# Allegro board 6089-119-RevA_41.brd (continued)
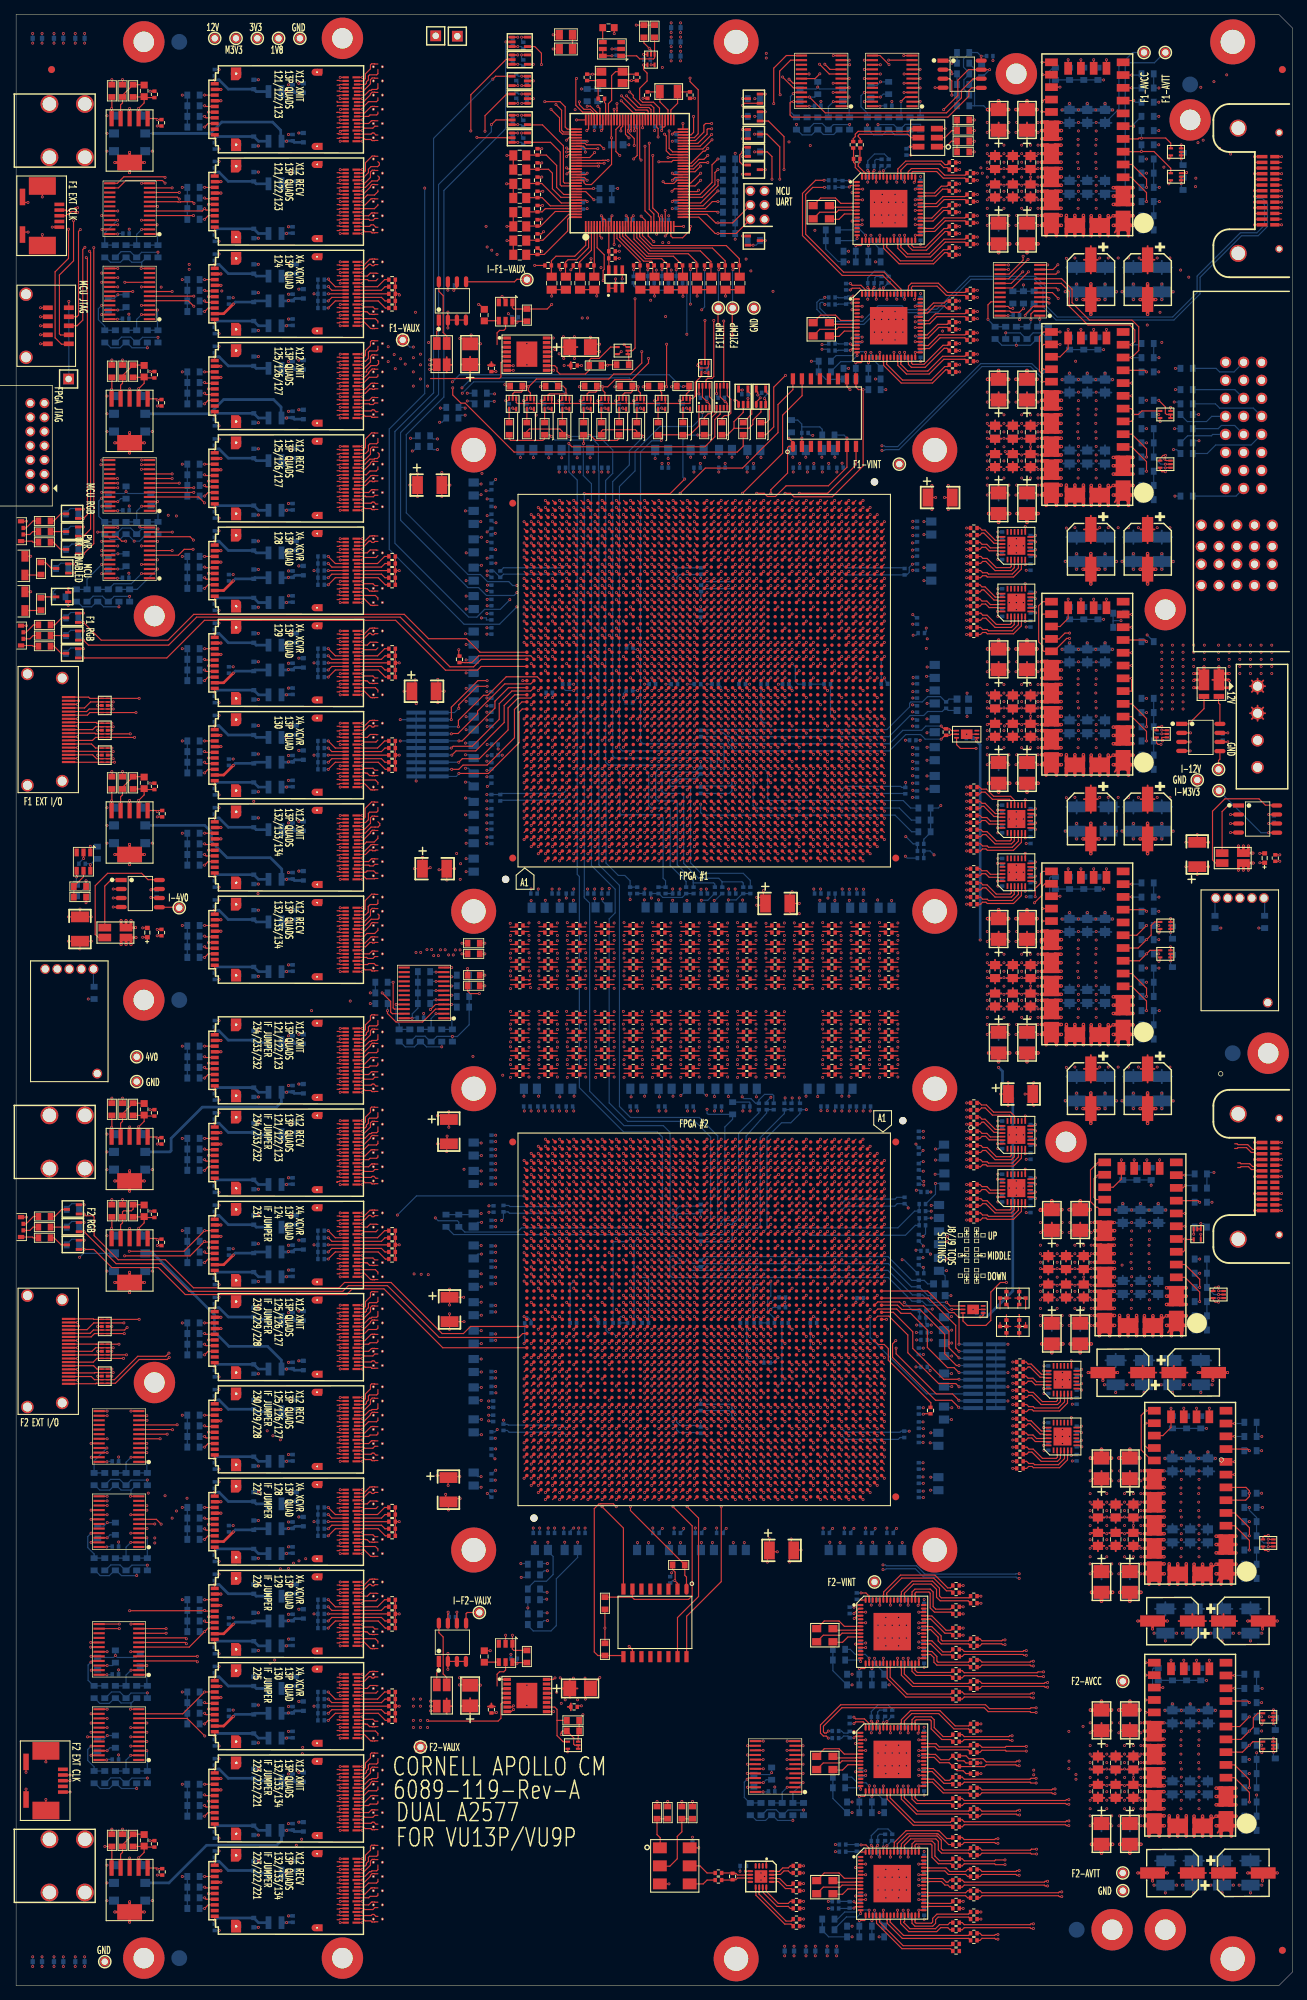
[diagram p0: board, top side]
## Routing (per net, layer and track width the routed paths; a pad name or vN(x,y) marks a point on that pad's centre or on a via; arc(x,y) is an arc through that point) (continued)
  TOP w0.38: 175.7,51.4 v1(173.62,51.4) ; 175.7,51.4 v1(175.7,50.27) ; 175.7,51.4 C541.2 v1(177.78,51.4) ; U39A.2 v1(28.87,68.2) ; U42A.2 v1(28.87,29.2) ; 175.7,15.9 v1(173.62,15.9) ; 175.7,15.9 C542.2 v1(177.78,15.9) ; 175.7,15.9 v1(175.7,14.77) ; U32A.2 v1(28.87,163.2) ; U38A.4 v1(28.87,79.6) ; U21.6 v1(18.08,99.1) ; U21.6 v1(16,97.67) ; U21.6 v1(13.92,99.1) ; U21.6 v1(16,100.54) ; U40A.4 v1(28.87,53.6) ; U34A.2 v1(28.87,133.2) ; U19.6 v1(18.08,159.4) ; U19.6 v1(13.92,159.4) ; U19.6 v1(16,157.97) ; U19.6 v1(16,160.84) ; C538.2 v1(158.12,51.4) ; C538.2 v1(160.2,50.27) ; C538.2 v1(162.28,51.4) ; U33A.4 v1(28.87,148.6) ; U42A.4 v1(28.87,27.6) ; C537.2 v1(158.12,15.9) ; C537.2 v1(160.2,14.77) ; C537.2 v1(162.28,15.9) ; U30A.4 v1(28.87,187.6) ; U16.6 v1(18.08,217.4) ; U16.6 v1(13.92,217.4) ; U16.6 v1(16,215.97) ; U16.6 v1(16,218.84) ; U27A.2 v1(28.87,228.2) ; U26A.2 v1(28.87,241.2) ; U13.6 v1(16,258.34) ; U13.6 v1(18.08,256.9) ; U13.6 v1(13.92,256.9) ; U13.6 v1(16,255.47) ; U22.6 v1(16,8.97) ; U22.6 v1(18.08,10.4) ; U22.6 v1(16,11.84) ; U22.6 v1(13.92,10.4) ; U20.6 v1(13.92,113.4) ; U20.6 v1(16,114.84) ; U20.6 v1(18.08,113.4) ; U20.6 v1(16,111.97) ; U36A.2 v1(28.87,107.2) ; U43A.2 v1(28.87,16.2) ; U24A.2 v1(28.87,267.2) ; v1(168.7,85.27) 168.7,86.4 ; 168.7,86.4 v1(166.62,86.4) ; 168.7,86.4 C539.2 v1(170.78,86.4) ; U37A.2 v1(28.87,94.2) ; U34A.4 v1(28.87,131.6) ; U43A.4 v1(28.87,14.6) ; U37A.4 v1(28.87,92.6) ; C524.2 v1(155.28,86.4) ; C524.2 v1(151.12,86.4) ; C524.2 v1(153.2,85.27) ; U39A.4 v1(28.87,66.6) ; U28A.2 v1(28.87,215.2) ; U33A.2 v1(28.87,150.2) ; U41A.4 v1(28.87,40.6) ; U40A.2 v1(28.87,55.2) ; U27A.4 v1(28.87,226.6) ; U36A.4 v1(28.87,105.6) ; U31A.4 v1(28.87,174.6) ; U41A.2 v1(28.87,42.2) ; U32A.4 v1(28.87,161.6) ; U29A.2 v1(28.87,202.2) ; U28A.4 v1(28.87,213.6) ; U25A.2 v1(28.87,254.2) ; U31A.2 v1(28.87,176.2) ; U29A.4 v1(28.87,200.6) ; U35A.2 v1(28.87,120.2) ; U38A.2 v1(28.87,81.2) ; U26A.4 v1(28.87,239.6) ; U24A.4 v1(28.87,265.6) ; U35A.4 v1(28.87,118.6) ; U30A.2 v1(28.87,189.2) ; U25A.4 v1(28.87,252.6)
  TOP w0.5: v1(137.09,207.44) C452.2 ; C452.2 v1(138.5,206.2) ; C452.2 v1(140.06,207.44) ; 145.95,179.5 145.95,179.55 146.45,180.05 v1(147.33,180.05) ; 145.95,179.5 145.4,180.05 v1(144.57,180.05) ; 145.95,179.5 U107.24 ; v1(150.45,135.45) 150.45,134.57 149.95,134.07 149.93,134.07 ; v1(154.83,98.7) 153.9,98.7 153.45,99.15 ; U106.2 v1(157.43,214.18) ; U106.2 156.05,213.45 ; U106.2 v1(154.67,214.18) ; U106.2 156.05,214.8 ; U106.24 v1(144.57,216.88) ; U106.24 145.95,217.5 ; U106.24 145.95,216.15 ; U106.24 v1(147.33,216.88) ; C455.2 v1(138.5,151.6) ; C455.2 v1(139.91,150.36) ; C455.2 v1(136.94,150.36) ; 149.93,172.07 150.45,171.55 v1(150.45,170.6) ; 149.93,172.07 149.25,172.07 ; 149.93,172.07 149.95,172.07 150.45,172.57 v1(150.45,173.45) ; 145.95,141.5 145.95,141.55 146.45,142.05 v1(147.33,142.05) ; 145.95,141.5 145.4,142.05 v1(144.57,142.05) ; 145.95,141.5 U108.24 ; 148.53,210.07 148.05,209.6 v1(148.05,208.6) ; 148.53,210.07 148.05,210.55 v1(148.05,211.45) ; 148.53,210.07 149.25,210.07 ; C508.2 152.65,237.6 ; C508.2 v1(151.5,235.52) ; C508.2 v1(151.5,239.8) ; C508.2 150.45,237.6 ; v1(161.83,28.2) 160.9,28.2 160.45,28.65 ; v1(152.07,98.7) 153,98.7 153.45,99.15 ; C535.2 v1(159.5,159.52) ; C535.2 v1(158.45,161.6) ; C535.2 v1(159.5,163.8) ; C535.2 v1(160.65,161.6) ; v1(154.67,213) 155.6,213 156.05,213.45 ; v1(143.91,150.36) C488.2 ; C488.2 v1(142.5,151.6) ; C488.2 v1(140.94,150.36) ; 149.93,134.07 150.45,133.55 v1(150.45,132.6) ; 149.93,134.07 149.25,134.07 ; 156.05,213.45 156.5,213 v1(157.43,213) ; 148.53,172.07 148.05,172.55 v1(148.05,173.45) ; 148.53,172.07 148.05,171.6 v1(148.05,170.6) ; 148.53,172.07 149.25,172.07 ; v1(140.94,188.36) C486.2 ; C486.2 v1(143.91,188.36) ; C486.2 v1(142.5,189.6) ; v1(171.93,27.85) 171.05,27.85 170.55,27.35 170.55,27.3 ; 149.93,248.07 149.95,248.07 150.45,248.57 v1(150.45,249.45) ; 149.93,248.07 150.45,247.55 v1(150.45,246.6) ; 149.93,248.07 149.25,248.07 ; C509.2 v1(151.5,197.52) ; C509.2 v1(151.5,201.8) ; C509.2 152.65,199.6 ; C509.2 150.45,199.6 ; v1(151.59,55.44) C517.2 ; C517.2 v1(154.56,55.44) ; C517.2 v1(153,54.2) ; 145.95,255.5 145.95,255.55 146.45,256.05 v1(147.33,256.05) ; 145.95,255.5 145.95,254.88 ; 145.95,255.5 145.4,256.05 v1(144.57,256.05) ; v1(158.56,55.44) C526.2 ; C526.2 v1(157,54.2) ; C526.2 v1(155.59,55.44) ; v1(149.25,170.6) U107.27 149.25,172.07 ; 149.25,172.07 v1(149.25,173.45) ; v1(140.06,169.44) C454.2 ; C454.2 v1(137.09,169.44) ; C454.2 v1(138.5,168.2) ; v1(157.43,251) 156.5,251 156.05,251.45 ; v1(140.94,264.36) C482.2 ; C482.2 v1(143.91,264.36) ; C482.2 v1(142.5,265.6) ; 149.93,210.07 150.45,209.55 v1(150.45,208.6) ; 149.93,210.07 149.25,210.07 ; 149.93,210.07 149.95,210.07 150.45,210.57 v1(150.45,211.45) ; v1(157.95,91.6) 157.95,92.55 157.43,93.08 ; 145.95,140.15 145.5,139.7 v1(144.57,139.7) ; 145.95,140.15 U108.24 ; 145.95,140.15 146.4,139.7 v1(147.33,139.7) ; 145.95,216.15 146.4,215.7 v1(147.33,215.7) ; 145.95,216.15 145.5,215.7 v1(144.57,215.7) ; v1(148.05,135.45) 148.05,134.55 148.53,134.07 ; 156.05,251.45 156.05,252.18 ; 156.05,251.45 155.6,251 v1(154.67,251) ; 153.45,99.15 U109.24 ; C536.2 v1(159.5,125.8) ; C536.2 v1(159.5,121.52) ; C536.2 v1(160.65,123.6) ; C536.2 v1(158.45,123.6) ; C534.2 v1(159.5,197.52) ; C534.2 v1(159.5,201.8) ; C534.2 v1(158.45,199.6) ; C534.2 v1(160.65,199.6) ; U109.24 153.45,100.5 ; U109.24 v1(154.83,99.88) ; U109.24 v1(152.07,99.88) ; 153.45,100.5 152.9,101.05 v1(152.07,101.05) ; 153.45,100.5 153.45,100.55 153.95,101.05 v1(154.83,101.05) ; v1(155.59,19.94) C528.2 ; C528.2 v1(158.56,19.94) ; C528.2 v1(157,18.7) ; 170.55,27.3 170,27.85 v1(169.17,27.85) ; 170.55,27.3 170.55,26.68 ; U108.2 v1(157.43,138.18) ; U108.2 156.05,137.45 ; U108.2 156.05,138.8 ; U108.2 v1(154.67,138.18) ; 160.45,30 160.45,30.05 160.95,30.55 v1(161.83,30.55) ; 160.45,30 U118.24 ; 160.45,30 159.9,30.55 v1(159.07,30.55) ; 164.43,22.57 163.75,22.57 ; 164.43,22.57 164.95,22.05 v1(164.95,21.1) ; 164.43,22.57 164.45,22.57 164.95,23.07 v1(164.95,23.95) ; 163.75,22.57 v1(163.75,23.95) ; 163.75,22.57 163.03,22.57 ; 163.75,22.57 U118.27 v1(163.75,21.1) ; U118.24 v1(161.83,29.38) ; U118.24 160.45,28.65 ; U118.24 v1(159.07,29.38) ; v1(164.95,59.45) 164.95,58.58 164.45,58.08 164.43,58.08 ; v1(148.05,249.45) 148.05,248.55 148.53,248.07 ; v1(154.41,38.86) C518.2 ; C518.2 v1(153,40.1) ; C518.2 v1(151.44,38.86) ; v1(143.91,226.36) C484.2 ; C484.2 v1(142.5,227.6) ; C484.2 v1(140.94,226.36) ; 145.95,254.88 v1(144.57,254.88) ; 145.95,254.88 145.95,254.15 ; 145.95,254.88 v1(147.33,254.88) ; C525.2 v1(157,75.6) ; C525.2 v1(155.44,74.36) ; C525.2 v1(158.41,74.36) ; v1(147.56,90.44) C501.2 ; C501.2 v1(146,89.2) ; C501.2 v1(144.59,90.44) ; v1(154.67,175) 155.6,175 156.05,175.45 ; v1(141.09,207.44) C485.2 ; C485.2 v1(144.06,207.44) ; C485.2 v1(142.5,206.2) ; v1(139.91,188.36) C453.2 ; C453.2 v1(136.94,188.36) ; C453.2 v1(138.5,189.6) ; 160.45,28.65 160,28.2 v1(159.07,28.2) ; v1(162.55,21.1) 162.55,22.1 163.03,22.57 ; 170.55,61.45 170.1,61 v1(169.17,61) ; 170.55,61.45 U117.2 ; 170.55,61.45 171,61 v1(171.93,61) ; U107.24 v1(147.33,178.88) ; U107.24 145.95,178.15 ; U107.24 v1(144.57,178.88) ; 145.95,217.5 145.4,218.05 v1(144.57,218.05) ; 145.95,217.5 145.95,217.55 146.45,218.05 v1(147.33,218.05) ; v1(161.83,66.05) 160.95,66.05 160.45,65.55 160.45,65.5 ; v1(147.41,109.36) C500.2 ; C500.2 144.44,109.36 144.44,109.29 v1(144.37,109.29) ; C500.2 v1(146,110.6) ; 157.43,93.08 156.75,93.08 ; 157.43,93.08 157.45,93.08 157.95,93.58 v1(157.95,94.45) ; 156.05,175.45 156.5,175 v1(157.43,175) ; 156.05,175.45 U107.2 ; 156.05,137.45 156.5,137 v1(157.43,137) ; 156.05,137.45 155.6,137 v1(154.67,137) ; v1(162.17,96) 163.1,96 163.55,96.45 ; C510.2 150.45,161.6 ; C510.2 v1(151.5,159.52) ; C510.2 152.65,161.6 ; C510.2 v1(151.5,163.8) ; 149.25,134.07 U108.27 v1(149.25,132.6) ; 149.25,134.07 v1(149.25,135.45) ; 149.25,134.07 148.53,134.07 ; v1(154.67,139.35) 155.5,139.35 156.05,138.8 ; C450.2 v1(138.5,244.2) ; C450.2 v1(137.09,245.44) ; C450.2 v1(140.06,245.44) ; U117.2 170.55,62.8 ; U117.2 v1(171.93,62.17) ; U117.2 v1(169.17,62.17) ; 156.75,93.08 v1(156.75,94.45) ; 156.75,93.08 U109.27 v1(156.75,91.6) ; 156.75,93.08 156.03,93.08 ; U108.24 v1(144.57,140.88) ; U108.24 v1(147.33,140.88) ; U117.24 v1(159.07,64.88) ; U117.24 160.45,65.5 ; U117.24 160.45,64.15 ; U117.24 v1(161.83,64.88) ; U107.2 v1(157.43,176.18) ; U107.2 v1(154.67,176.18) ; U107.2 156.05,176.8 ; v1(151.56,90.44) C505.2 ; C505.2 v1(148.59,90.44) ; C505.2 v1(150,89.2) ; v1(164.93,98.35) 164.05,98.35 163.55,97.85 163.55,97.8 ; C511.2 152.65,123.6 ; C511.2 v1(151.5,125.8) ; C511.2 v1(151.5,121.52) ; C511.2 150.45,123.6 ; C451.2 v1(138.5,227.6) ; C451.2 v1(136.94,226.36) ; C451.2 v1(139.91,226.36) ; 156.05,252.18 v1(157.43,252.18) ; 156.05,252.18 v1(154.67,252.18) ; 156.05,252.18 156.05,252.8 ; C516.2 v1(153,75.6) ; C516.2 v1(154.41,74.36) ; C516.2 v1(151.44,74.36) ; v1(161.83,63.7) 160.9,63.7 160.45,64.15 ; v1(162.55,59.45) 162.55,58.55 163.03,58.08 ; v1(151.59,19.94) C519.2 ; C519.2 v1(153,18.7) ; C519.2 v1(154.56,19.94) ; 163.03,22.57 162.55,23.05 v1(162.55,23.95) ; 156.03,93.08 155.55,93.55 v1(155.55,94.45) ; 156.03,93.08 155.55,92.6 v1(155.55,91.6) ; 149.25,210.07 U106.27 v1(149.25,208.6) ; 149.25,210.07 v1(149.25,211.45) ; v1(144.57,253.7) 145.5,253.7 145.95,254.15 ; v1(163.75,56.6) 163.75,58.08 ; v1(144.06,131.44) C489.2 ; C489.2 v1(142.5,130.2) ; C489.2 v1(141.09,131.44) ; 160.45,65.5 159.9,66.05 v1(159.07,66.05) ; 156.05,252.8 155.5,253.35 v1(154.67,253.35) ; 156.05,252.8 156.05,252.85 156.55,253.35 v1(157.43,253.35) ; 163.55,97.8 163,98.35 v1(162.17,98.35) ; 163.55,97.8 U109.2 ; v1(158.45,237.6) C533.2 ; C533.2 v1(159.5,235.52) ; C533.2 v1(159.5,239.8) ; C533.2 v1(160.65,237.6) ; v1(148.05,246.6) 148.05,247.6 148.53,248.07 ; U109.2 v1(164.93,97.17) ; U109.2 v1(162.17,97.17) ; U109.2 163.55,96.45 ; 156.05,214.8 156.05,214.85 156.55,215.35 v1(157.43,215.35) ; 156.05,214.8 155.5,215.35 v1(154.67,215.35) ; 148.53,134.07 148.05,133.6 v1(148.05,132.6) ; 149.25,248.07 U105.27 v1(149.25,246.6) ; 149.25,248.07 148.53,248.07 ; 149.25,248.07 v1(149.25,249.45) ; v1(157.43,139.35) 156.55,139.35 156.05,138.85 156.05,138.8 ; v1(137.09,131.44) C456.2 ; C456.2 v1(140.06,131.44) ; C456.2 v1(138.5,130.2) ; 164.43,58.08 163.75,58.08 ; 164.43,58.08 164.95,57.55 v1(164.95,56.6) ; 163.75,58.08 v1(163.75,59.45) ; 163.75,58.08 163.03,58.08 ; v1(162.55,56.6) 162.55,57.6 163.03,58.08 ; v1(139.91,264.36) C449.2 ; C449.2 v1(138.5,265.6) ; C449.2 v1(136.94,264.36) ; 170.55,26.68 v1(169.17,26.68) ; 170.55,26.68 170.55,25.95 ; 170.55,26.68 v1(171.93,26.68) ; 156.05,176.8 155.5,177.35 v1(154.67,177.35) ; 156.05,176.8 156.05,176.85 156.55,177.35 v1(157.43,177.35) ; C527.2 v1(157,40.1) ; C527.2 v1(158.41,38.86) ; C527.2 v1(155.44,38.86) ; v1(144.06,169.44) C487.2 ; C487.2 v1(141.09,169.44) ; C487.2 v1(142.5,168.2) ; C483.2 v1(142.5,244.2) ; C483.2 v1(144.06,245.44) ; C483.2 v1(141.09,245.44) ; 145.95,254.15 146.4,253.7 v1(147.33,253.7) ; 170.55,62.8 170.55,62.85 171.05,63.35 v1(171.93,63.35) ; 170.55,62.8 170,63.35 v1(169.17,63.35) ; v1(148.44,109.36) C504.2 ; C504.2 v1(151.41,109.36) ; C504.2 v1(150,110.6) ; 163.55,96.45 164,96 v1(164.93,96) ; 145.95,178.15 145.5,177.7 v1(144.57,177.7) ; 145.95,178.15 146.4,177.7 v1(147.33,177.7) ; v1(169.17,25.5) 170.1,25.5 170.55,25.95 ; 160.45,64.15 160,63.7 v1(159.07,63.7) ; 170.55,25.95 171,25.5 v1(171.93,25.5)
  GND1 w0.254: VA79.4 51.82,76.81 ; VA79.4 51.63,76.02 ; VA79.4 52.05,76.59 ; VA79.4 51.96,76.72 ; VA79.4 52.05,76.21 ; VA79.4 52.02,76.4 ; VA79.4 51.63,76.78 ; VA79.4 51.96,76.08 ; VA101.3 50.37,15.78 ; VA101.3 50.04,15.08 ; VA101.3 50.37,15.02 ; VA101.3 49.95,15.21 ; VA101.3 50.04,15.72 ; VA101.3 49.98,15.4 ; VA101.3 49.95,15.59 ; VA101.3 50.18,14.99 ; VA97.4 52.05,24.21 ; VA97.4 51.63,24.78 ; VA97.4 51.82,24.81 ; VA97.4 51.63,24.02 ; VA97.4 51.96,24.08 ; VA97.4 52.05,24.59 ; VA97.4 51.96,24.72 ; VA97.4 52.02,24.4 ; VA69.4 52.02,97.4 ; VA69.4 52.05,97.21 ; VA69.4 51.63,97.02 ; VA69.4 51.96,97.08 ; VA69.4 52.05,97.59 ; VA69.4 51.82,97.81 ; VA69.4 51.96,97.72 ; VA69.4 51.63,97.78 ; VA91.3 51.63,37.28 ; VA91.3 51.82,37.31 ; VA91.3 51.96,37.22 ; VA91.3 52.05,36.71 ; VA91.3 52.05,37.09 ; VA91.3 51.96,36.58 ; VA91.3 52.02,36.9 ; VA91.3 51.63,36.52 ; 50.37,95.02 VA70.3 ; VA70.3 49.95,95.59 ; VA70.3 50.37,95.78 ; VA70.3 49.98,95.4 ; VA70.3 50.18,94.99 ; VA70.3 49.95,95.21 ; VA70.3 50.04,95.72 ; VA70.3 50.04,95.08 ; VA3.4 51.96,266.08 ; VA3.4 51.82,266.81 ; VA3.4 51.63,266.02 ; VA3.4 51.96,266.72 ; VA3.4 52.05,266.21 ; VA3.4 51.63,266.78 ; VA3.4 52.02,266.4 ; VA3.4 52.05,266.59 ; VA70.4 51.63,95.78 ; VA70.4 52.05,95.59 ; VA70.4 51.63,95.02 ; VA70.4 51.82,95.81 ; VA70.4 51.96,95.08 ; VA70.4 52.02,95.4 ; VA70.4 52.05,95.21 ; VA70.4 51.96,95.72 ; 156,12.52 PM21.1 ; PM21.1 155.33,14.07 ; PM21.1 156.67,12.73 ; PM21.1 155.33,12.73 ; PM21.1 156.67,14.07 ; PM21.1 156,14.28 ; PM21.1 155.12,13.4 ; PM21.1 156.88,13.4 ; 49.95,107.09 VA66.3 ; VA66.3 50.18,106.49 ; VA66.3 50.37,106.52 ; VA66.3 49.95,106.71 ; VA66.3 49.98,106.9 ; VA66.3 50.04,107.22 ; VA66.3 50.37,107.28 ; VA66.3 50.04,106.58 ; VA39.3 51.63,171.28 ; VA39.3 52.05,171.09 ; VA39.3 51.63,170.52 ; VA39.3 52.05,170.71 ; VA39.3 52.02,170.9 ; VA39.3 51.96,171.22 ; VA39.3 51.82,171.31 ; VA39.3 51.96,170.58 ; VA28.4 51.96,208.72 ; VA28.4 52.05,208.21 ; VA28.4 51.82,208.81 ; VA28.4 51.96,208.08 ; VA28.4 51.63,208.78 ; VA28.4 51.63,208.02 ; VA28.4 52.05,208.59 ; VA28.4 52.02,208.4 ; 50.18,43.49 VA89.3 ; VA89.3 50.04,43.58 ; VA89.3 50.04,44.22 ; VA89.3 50.37,44.28 ; VA89.3 50.37,43.52 ; VA89.3 49.95,43.71 ; VA89.3 49.98,43.9 ; VA89.3 49.95,44.09 ; 49.95,194.71 VA32.4 ; VA32.4 50.04,195.22 ; VA32.4 49.95,195.09 ; VA32.4 49.98,194.9 ; VA32.4 50.04,194.58 ; VA32.4 50.37,194.52 ; VA32.4 50.18,194.49 ; VA32.4 50.37,195.28 ; 50.04,128.72 VA57.3 ; VA57.3 50.18,127.99 ; VA57.3 50.37,128.78 ; VA57.3 50.04,128.08 ; VA57.3 49.98,128.4 ; VA57.3 49.95,128.59 ; VA57.3 50.37,128.02 ; VA57.3 49.95,128.21 ; VA24.4 52.05,216.21 ; VA24.4 51.63,216.78 ; VA24.4 52.05,216.59 ; VA24.4 51.96,216.72 ; VA24.4 51.63,216.02 ; VA24.4 51.82,216.81 ; VA24.4 52.02,216.4 ; VA24.4 51.96,216.08 ; VA68.3 51.96,99.58 ; VA68.3 52.02,99.9 ; VA68.3 51.96,100.22 ; VA68.3 52.05,100.09 ; VA68.3 51.63,99.52 ; VA68.3 51.63,100.28 ; VA68.3 51.82,100.31 ; VA68.3 52.05,99.71 ; J5.20 2.4,169.96 ; J5.20 2.66,169.15 ; J5.20 1.15,168.11 ; J5.20 2.4,168.35 ; J5.20 2.05,170.2 ; J5.20 1.6,168.08 ; J5.20 1.6,170.22 ; J5.20 2.64,169.6 ; VA16.4 50.37,234.28 ; VA16.4 50.18,233.49 ; VA16.4 49.95,234.09 ; VA16.4 49.98,233.9 ; VA16.4 50.37,233.52 ; VA16.4 50.04,233.58 ; VA16.4 49.95,233.71 ; VA16.4 50.04,234.22 ; 49.98,153.4 VA47.3 ; VA47.3 49.95,153.59 ; VA47.3 50.04,153.08 ; VA47.3 49.95,153.21 ; VA47.3 50.37,153.02 ; VA47.3 50.04,153.72 ; VA47.3 50.37,153.78 ; VA47.3 50.18,152.99 ; J5.21 6.5,170.8 ; J5.21 7.57,169.74 ; J5.21 5.69,168.93 ; J5.21 5.69,170.54 ; J5.21 5.43,169.74 ; J5.21 7.31,168.93 ; J5.21 7.31,170.54 ; J5.21 6.5,168.67 ; 50.04,22.08 VA98.3 ; VA98.3 50.37,22.78 ; VA98.3 50.37,22.02 ; VA98.3 49.95,22.21 ; VA98.3 49.98,22.4 ; VA98.3 49.95,22.59 ; VA98.3 50.18,21.99 ; VA98.3 50.04,22.72 ; VA94.4 52.02,30.4 ; VA94.4 51.63,30.78 ; VA94.4 51.96,30.08 ; VA94.4 51.82,30.81 ; VA94.4 52.05,30.59 ; VA94.4 51.96,30.72 ; VA94.4 52.05,30.21 ; VA94.4 51.63,30.02 ; VA23.4 51.96,218.72 ; VA23.4 52.05,218.21 ; VA23.4 51.82,218.81 ; VA23.4 51.63,218.02 ; VA23.4 51.96,218.08 ; VA23.4 51.63,218.78 ; VA23.4 52.02,218.4 ; VA23.4 52.05,218.59 ; 49.95,169.09 VA40.4 ; VA40.4 49.95,168.71 ; VA40.4 50.18,168.49 ; VA40.4 50.04,169.22 ; VA40.4 50.04,168.58 ; VA40.4 49.98,168.9 ; VA40.4 50.37,169.28 ; VA40.4 50.37,168.52 ; VA67.3 52.05,101.71 ; VA67.3 51.82,102.31 ; VA67.3 51.96,101.58 ; VA67.3 52.02,101.9 ; VA67.3 51.63,101.52 ; VA67.3 52.05,102.09 ; VA67.3 51.63,102.28 ; VA67.3 51.96,102.22 ; VA75.4 52.05,84.21 ; VA75.4 51.96,84.72 ; VA75.4 51.63,84.02 ; VA75.4 51.63,84.78 ; VA75.4 51.82,84.81 ; VA75.4 52.02,84.4 ; VA75.4 52.05,84.59 ; VA75.4 51.96,84.08 ; 51.63,54.52 VA86.4 ; VA86.4 52.02,54.9 ; VA86.4 52.05,55.09 ; VA86.4 51.96,55.22 ; VA86.4 51.96,54.58 ; VA86.4 51.82,55.31 ; VA86.4 51.63,55.28 ; VA86.4 52.05,54.71 ; 50.04,34.58 VA92.4 ; VA92.4 50.04,35.22 ; VA92.4 49.95,34.71 ; VA92.4 50.37,34.52 ; VA92.4 50.37,35.28 ; VA92.4 49.95,35.09 ; VA92.4 50.18,34.49 ; VA92.4 49.98,34.9 ; 51.63,69.52 VA81.4 ; VA81.4 51.96,69.58 ; VA81.4 51.96,70.22 ; VA81.4 52.02,69.9 ; VA81.4 52.05,69.71 ; VA81.4 51.82,70.31 ; VA81.4 52.05,70.09 ; VA81.4 51.63,70.28 ; 50.04,147.72 VA50.3 ; VA50.3 49.95,147.21 ; VA50.3 50.04,147.08 ; VA50.3 50.37,147.78 ; VA50.3 49.95,147.59 ; VA50.3 50.37,147.02 ; VA50.3 49.98,147.4 ; VA50.3 50.18,146.99 ; PM24.1 167.38,169.9 ; PM24.1 165.83,169.23 ; PM24.1 166.5,170.78 ; PM24.1 167.17,170.57 ; PM24.1 166.5,169.02 ; PM24.1 167.17,169.23 ; PM24.1 165.83,170.57 ; PM24.1 165.62,169.9 ; VA1.4 51.96,270.08 ; VA1.4 52.05,270.21 ; VA1.4 51.82,270.81 ; VA1.4 52.05,270.59 ; VA1.4 51.63,270.78 ; VA1.4 51.63,270.02 ; VA1.4 52.02,270.4 ; VA1.4 51.96,270.72 ; VA56.4 51.96,130.08 ; VA56.4 51.96,130.72 ; VA56.4 52.02,130.4 ; VA56.4 51.63,130.02 ; VA56.4 51.63,130.78 ; VA56.4 52.05,130.21 ; VA56.4 52.05,130.59 ; VA56.4 51.82,130.81 ; 50.37,235.52 VA15.4 ; VA15.4 49.95,236.09 ; VA15.4 49.98,235.9 ; VA15.4 50.37,236.28 ; VA15.4 50.18,235.49 ; VA15.4 49.95,235.71 ; VA15.4 50.04,235.58 ; VA15.4 50.04,236.22 ; 50.04,212.72 VA26.3 ; VA26.3 49.95,212.59 ; VA26.3 50.37,212.78 ; VA26.3 49.98,212.4 ; VA26.3 49.95,212.21 ; VA26.3 50.37,212.02 ; VA26.3 50.04,212.08 ; VA26.3 50.18,211.99 ; 50.37,113.02 VA64.3 ; VA64.3 49.95,113.59 ; VA64.3 50.04,113.72 ; VA64.3 50.18,112.99 ; VA64.3 49.95,113.21 ; VA64.3 50.37,113.78 ; VA64.3 50.04,113.08 ; VA64.3 49.98,113.4 ; 50.04,30.08 VA94.3 ; VA94.3 49.95,30.21 ; VA94.3 49.98,30.4 ; VA94.3 50.18,29.99 ; VA94.3 50.37,30.02 ; VA94.3 50.37,30.78 ; VA94.3 49.95,30.59 ; VA94.3 50.04,30.72 ; 50.18,240.49 VA14.3 ; VA14.3 50.37,241.28 ; VA14.3 50.04,240.58 ; VA14.3 50.04,241.22 ; VA14.3 49.98,240.9 ; VA14.3 49.95,240.71 ; VA14.3 49.95,241.09 ; VA14.3 50.37,240.52 ; VA29.4 52.05,204.09 ; VA29.4 51.96,203.58 ; VA29.4 51.82,204.31 ; VA29.4 52.05,203.71 ; VA29.4 51.96,204.22 ; VA29.4 51.63,203.52 ; VA29.4 51.63,204.28 ; VA29.4 52.02,203.9 ; 50.18,83.99 VA75.3 ; VA75.3 50.37,84.78 ; VA75.3 50.04,84.72 ; VA75.3 50.04,84.08 ; VA75.3 49.95,84.21 ; VA75.3 49.95,84.59 ; VA75.3 49.98,84.4 ; VA75.3 50.37,84.02 ; 50.18,209.99 VA27.3 ; VA27.3 49.98,210.4 ; VA27.3 50.04,210.08 ; VA27.3 50.04,210.72 ; VA27.3 49.95,210.21 ; VA27.3 49.95,210.59 ; VA27.3 50.37,210.78 ; VA27.3 50.37,210.02 ; 49.95,253.21 VA9.3 ; VA9.3 49.95,253.59 ; VA9.3 50.04,253.08 ; VA9.3 50.18,252.99 ; VA9.3 50.37,253.78 ; VA9.3 50.04,253.72 ; VA9.3 49.98,253.4 ; VA9.3 50.37,253.02 ; 49.95,19.59 VA99.3 ; VA99.3 50.04,19.72 ; VA99.3 50.18,18.99 ; VA99.3 50.37,19.02 ; VA99.3 49.95,19.21 ; VA99.3 49.98,19.4 ; VA99.3 50.37,19.78 ; VA99.3 50.04,19.08 ; 49.98,78.4 VA78.3 ; VA78.3 50.37,78.02 ; VA78.3 49.95,78.59 ; VA78.3 50.04,78.08 ; VA78.3 50.37,78.78 ; VA78.3 50.18,77.99 ; VA78.3 49.95,78.21 ; VA78.3 50.04,78.72 ; 50.18,175.49 VA38.3 ; VA38.3 50.04,176.22 ; VA38.3 50.37,175.52 ; VA38.3 50.37,176.28 ; VA38.3 49.98,175.9 ; VA38.3 49.95,176.09 ; VA38.3 49.95,175.71 ; VA38.3 50.04,175.58 ; VA72.4 51.96,91.72 ; VA72.4 51.63,91.78 ; VA72.4 52.05,91.59 ; VA72.4 52.02,91.4 ; VA72.4 51.82,91.81 ; VA72.4 52.05,91.21 ; VA72.4 51.96,91.08 ; VA72.4 51.63,91.02 ; VA64.4 52.02,113.4 ; VA64.4 51.63,113.78 ; VA64.4 51.82,113.81 ; VA64.4 51.63,113.02 ; VA64.4 52.05,113.21 ; VA64.4 52.05,113.59 ; VA64.4 51.96,113.72 ; VA64.4 51.96,113.08 ; J5.23 2.4,185.65 ; J5.23 1.15,183.8 ; J5.23 2.66,184.85 ; J5.23 2.4,184.04 ; J5.23 2.64,185.3 ; J5.23 2.05,185.89 ; J5.23 1.6,185.92 ; J5.23 1.6,183.78 ; VA67.4 50.37,102.28 ; VA67.4 50.04,101.58 ; VA67.4 50.37,101.52 ; VA67.4 50.04,102.22 ; VA67.4 49.95,102.09 ; VA67.4 50.18,101.49 ; VA67.4 49.95,101.71 ; VA67.4 49.98,101.9 ; 49.95,61.09 VA84.4 ; VA84.4 50.18,60.49 ; VA84.4 50.37,60.52 ; VA84.4 50.04,61.22 ; VA84.4 49.95,60.71 ; VA84.4 50.04,60.58 ; VA84.4 49.98,60.9 ; VA84.4 50.37,61.28 ; 51.63,253.02 VA9.4 ; VA9.4 51.96,253.72 ; VA9.4 51.63,253.78 ; VA9.4 51.96,253.08 ; VA9.4 51.82,253.81 ; VA9.4 52.05,253.59 ; VA9.4 52.02,253.4 ; VA9.4 52.05,253.21 ; 50.04,24.08 VA97.3 ; VA97.3 49.95,24.21 ; VA97.3 50.37,24.02 ; VA97.3 50.18,23.99 ; VA97.3 49.98,24.4 ; VA97.3 50.04,24.72 ; VA97.3 49.95,24.59 ; VA97.3 50.37,24.78 ; 49.95,80.59 VA77.3 ; VA77.3 50.04,80.08 ; VA77.3 50.04,80.72 ; VA77.3 50.37,80.78 ; VA77.3 50.18,79.99 ; VA77.3 49.98,80.4 ; VA77.3 49.95,80.21 ; VA77.3 50.37,80.02 ; VA85.4 52.05,57.09 ; VA85.4 51.82,57.31 ; VA85.4 51.63,56.52 ; VA85.4 52.05,56.71 ; VA85.4 52.02,56.9 ; VA85.4 51.63,57.28 ; VA85.4 51.96,56.58 ; VA85.4 51.96,57.22 ; 49.95,208.21 VA28.3 ; VA28.3 50.04,208.72 ; VA28.3 50.18,207.99 ; VA28.3 49.95,208.59 ; VA28.3 50.37,208.02 ; VA28.3 50.04,208.08 ; VA28.3 50.37,208.78 ; VA28.3 49.98,208.4 ; 7.5,142.39 U1.3 ; U1.3 7.12,142.4 ; U1.3 7.88,144.14 ; U1.3 8.17,142.6 ; U1.3 6.83,143.94 ; U1.3 8.17,143.94 ; U1.3 6.83,142.6 ; U1.3 7.5,144.14 ; 39.33,273.73 PM9.1 ; PM9.1 39.33,275.07 ; PM9.1 40.88,274.4 ; PM9.1 40.67,275.07 ; PM9.1 40,275.28 ; PM9.1 40.67,273.73 ; PM9.1 40,273.52 ; PM9.1 39.12,274.4 ; 50.04,108.58 VA65.3 ; VA65.3 49.95,109.09 ; VA65.3 50.04,109.22 ; VA65.3 50.37,109.28 ; VA65.3 49.95,108.71 ; VA65.3 50.37,108.52 ; VA65.3 50.18,108.49 ; VA65.3 49.98,108.9 ; VA40.3 51.96,169.22 ; VA40.3 52.05,169.09 ; VA40.3 51.82,169.31 ; VA40.3 51.63,169.28 ; VA40.3 52.05,168.71 ; VA40.3 52.02,168.9 ; VA40.3 51.63,168.52 ; VA40.3 51.96,168.58 ; J5.22 7.31,185.07 ; J5.22 7.31,183.46 ; J5.22 6.5,185.33 ; J5.22 6.5,183.2 ; J5.22 5.69,183.46 ; J5.22 5.69,185.07 ; J5.22 7.57,184.26 ; J5.22 5.43,184.26 ; 5.43,82.14 J6.21 ; J6.21 6.5,83.2 ; J6.21 7.31,82.94 ; J6.21 7.57,82.14 ; J6.21 5.69,82.94 ; J6.21 6.5,81.07 ; J6.21 5.69,81.33 ; J6.21 7.31,81.33 ; J6.23 2.05,98.29 ; J6.23 1.15,96.2 ; J6.23 2.66,97.25 ; J6.23 1.6,96.18 ; J6.23 1.6,98.32 ; J6.23 2.64,97.7 ; J6.23 2.4,96.44 ; J6.23 2.4,98.05 ; VA12.4 52.05,247.21 ; VA12.4 52.05,247.59 ; VA12.4 51.82,247.81 ; VA12.4 51.96,247.72 ; VA12.4 52.02,247.4 ; VA12.4 51.63,247.02 ; VA12.4 51.96,247.08 ; VA12.4 51.63,247.78 ; 50.37,251.02 VA10.3 ; VA10.3 49.95,251.21 ; VA10.3 50.37,251.78 ; VA10.3 50.04,251.08 ; VA10.3 50.04,251.72 ; VA10.3 50.18,250.99 ; VA10.3 49.95,251.59 ; VA10.3 49.98,251.4 ; 50.04,190.58 VA33.3 ; VA33.3 49.95,191.09 ; VA33.3 49.95,190.71 ; VA33.3 50.37,191.28 ; VA33.3 50.04,191.22 ; VA33.3 50.18,190.49 ; VA33.3 50.37,190.52 ; VA33.3 49.98,190.9 ; 16.12,127.4 PM3.1 ; PM3.1 17,126.52 ; PM3.1 16.33,128.07 ; PM3.1 17.88,127.4 ; PM3.1 16.33,126.73 ; PM3.1 17,128.28 ; PM3.1 17.67,128.07 ; PM3.1 17.67,126.73 ; 50.04,260.72 VA6.3 ; VA6.3 49.95,260.59 ; VA6.3 50.18,259.99 ; VA6.3 50.04,260.08 ; VA6.3 50.37,260.78 ; VA6.3 49.98,260.4 ; VA6.3 50.37,260.02 ; VA6.3 49.95,260.21 ; VA83.3 51.96,63.22 ; VA83.3 52.02,62.9 ; VA83.3 51.82,63.31 ; VA83.3 51.63,63.28 ; VA83.3 52.05,63.09 ; VA83.3 51.63,62.52 ; VA83.3 51.96,62.58 ; VA83.3 52.05,62.71 ; VA63.4 51.96,115.08 ; VA63.4 52.02,115.4 ; VA63.4 51.63,115.02 ; VA63.4 51.96,115.72 ; VA63.4 51.63,115.78 ; VA63.4 52.05,115.21 ; VA63.4 52.05,115.59 ; VA63.4 51.82,115.81 ; 49.98,201.9 VA30.3 ; VA30.3 50.04,202.22 ; VA30.3 49.95,202.09 ; VA30.3 49.95,201.71 ; VA30.3 50.18,201.49 ; VA30.3 50.04,201.58 ; VA30.3 50.37,202.28 ; VA30.3 50.37,201.52 ; VA71.4 51.82,93.81 ; VA71.4 51.63,93.78 ; VA71.4 52.05,93.21 ; VA71.4 51.63,93.02 ; VA71.4 52.02,93.4 ; VA71.4 51.96,93.08 ; VA71.4 51.96,93.72 ; VA71.4 52.05,93.59 ; VA43.4 51.63,162.78 ; VA43.4 51.96,162.08 ; VA43.4 51.96,162.72 ; VA43.4 52.05,162.21 ; VA43.4 51.63,162.02 ; VA43.4 52.02,162.4 ; VA43.4 51.82,162.81 ; VA43.4 52.05,162.59 ; 50.04,162.72 VA43.3 ; VA43.3 49.95,162.59 ; VA43.3 50.37,162.78 ; VA43.3 50.18,161.99 ; VA43.3 49.98,162.4 ; VA43.3 50.37,162.02 ; VA43.3 50.04,162.08 ; VA43.3 49.95,162.21 ; 50.18,96.99 VA69.3 ; VA69.3 49.95,97.21 ; VA69.3 50.37,97.02 ; VA69.3 49.98,97.4 ; VA69.3 50.04,97.72 ; VA69.3 50.04,97.08 ; VA69.3 50.37,97.78 ; VA69.3 49.95,97.59 ; VA99.4 51.96,19.08 ; VA99.4 51.63,19.78 ; VA99.4 52.05,19.21 ; VA99.4 51.63,19.02 ; VA99.4 51.96,19.72 ; VA99.4 52.02,19.4 ; VA99.4 51.82,19.81 ; VA99.4 52.05,19.59 ; 51.63,89.02 VA73.4 ; VA73.4 51.63,89.78 ; VA73.4 51.96,89.72 ; VA73.4 52.02,89.4 ; VA73.4 52.05,89.21 ; VA73.4 52.05,89.59 ; VA73.4 51.96,89.08 ; VA73.4 51.82,89.81 ; 50.04,184.22 VA35.4 ; VA35.4 49.98,183.9 ; VA35.4 50.37,184.28 ; VA35.4 50.04,183.58 ; VA35.4 49.95,184.09 ; VA35.4 50.37,183.52 ; VA35.4 49.95,183.71 ; VA35.4 50.18,183.49 ; 50.18,226.99 VA19.3 ; VA19.3 49.95,227.21 ; VA19.3 49.95,227.59 ; VA19.3 49.98,227.4 ; VA19.3 50.04,227.08 ; VA19.3 50.37,227.02 ; VA19.3 50.04,227.72 ; VA19.3 50.37,227.78 ; VA8.4 52.05,255.59 ; VA8.4 52.02,255.4 ; VA8.4 51.82,255.81 ; VA8.4 51.96,255.72 ; VA8.4 51.63,255.02 ; VA8.4 51.63,255.78 ; VA8.4 52.05,255.21 ; VA8.4 51.96,255.08 ; VA58.4 51.82,126.81 ; VA58.4 52.02,126.4 ; VA58.4 51.96,126.72 ; VA58.4 51.63,126.02 ; VA58.4 51.96,126.08 ; VA58.4 51.63,126.78 ; VA58.4 52.05,126.59 ; VA58.4 52.05,126.21 ; 49.95,91.21 VA72.3 ; VA72.3 49.98,91.4 ; VA72.3 50.04,91.72 ; VA72.3 50.37,91.78 ; VA72.3 50.04,91.08 ; VA72.3 50.18,90.99 ; VA72.3 50.37,91.02 ; VA72.3 49.95,91.59 ; 50.18,62.49 VA83.4 ; VA83.4 50.37,62.52 ; VA83.4 49.95,62.71 ; VA83.4 49.95,63.09 ; VA83.4 50.37,63.28 ; VA83.4 50.04,63.22 ; VA83.4 49.98,62.9 ; VA83.4 50.04,62.58 ; VA62.4 51.96,117.72 ; VA62.4 51.63,117.02 ; VA62.4 51.63,117.78 ; VA62.4 52.05,117.21 ; VA62.4 51.82,117.81 ; VA62.4 52.02,117.4 ; VA62.4 51.96,117.08 ; VA62.4 52.05,117.59 ; 51.63,210.02 VA27.4 ; VA27.4 51.82,210.81 ; VA27.4 51.96,210.72 ; VA27.4 52.02,210.4 ; VA27.4 51.63,210.78 ; VA27.4 52.05,210.21 ; VA27.4 52.05,210.59 ; VA27.4 51.96,210.08 ; 50.04,93.08 VA71.3 ; VA71.3 49.95,93.21 ; VA71.3 49.98,93.4 ; VA71.3 50.37,93.78 ; VA71.3 50.18,92.99 ; VA71.3 50.37,93.02 ; VA71.3 50.04,93.72 ; VA71.3 49.95,93.59 ; 51.63,214.02 VA25.4 ; VA25.4 52.05,214.21 ; VA25.4 51.96,214.08 ; VA25.4 51.63,214.78 ; VA25.4 51.82,214.81 ; VA25.4 52.05,214.59 ; VA25.4 51.96,214.72 ; VA25.4 52.02,214.4 ; VA103.4 51.96,11.08 ; VA103.4 51.96,11.72 ; VA103.4 51.63,11.02 ; VA103.4 51.82,11.81 ; VA103.4 52.05,11.21 ; VA103.4 51.63,11.78 ; VA103.4 52.02,11.4 ; VA103.4 52.05,11.59 ; VA42.4 52.05,164.21 ; VA42.4 52.05,164.59 ; VA42.4 51.96,164.08 ; VA42.4 52.02,164.4 ; VA42.4 51.82,164.81 ; VA42.4 51.63,164.78 ; VA42.4 51.96,164.72 ; VA42.4 51.63,164.02 ; VA87.3 51.96,50.22 ; VA87.3 52.05,50.09 ; VA87.3 51.96,49.58 ; VA87.3 51.63,50.28 ; VA87.3 51.82,50.31 ; VA87.3 52.02,49.9 ; VA87.3 52.05,49.71 ; VA87.3 51.63,49.52 ; 49.98,99.9 VA68.4 ; VA68.4 50.18,99.49 ; VA68.4 49.95,99.71 ; VA68.4 49.95,100.09 ; VA68.4 50.37,100.28 ; VA68.4 50.04,99.58 ; VA68.4 50.37,99.52 ; VA68.4 50.04,100.22 ; VA33.4 51.63,191.28 ; VA33.4 51.96,190.58 ; VA33.4 51.82,191.31 ; VA33.4 52.05,190.71 ; VA33.4 52.02,190.9 ; VA33.4 52.05,191.09 ; VA33.4 51.63,190.52 ; VA33.4 51.96,191.22 ; VA10.4 51.96,251.08 ; VA10.4 52.02,251.4 ; VA10.4 51.63,251.78 ; VA10.4 51.82,251.81 ; VA10.4 51.96,251.72 ; VA10.4 52.05,251.59 ; VA10.4 52.05,251.21 ; VA10.4 51.63,251.02 ; VA74.4 51.63,87.78 ; VA74.4 52.05,87.59 ; VA74.4 51.63,87.02 ; VA74.4 51.96,87.72 ; VA74.4 51.82,87.81 ; VA74.4 52.05,87.21 ; VA74.4 51.96,87.08 ; VA74.4 52.02,87.4 ; VA32.3 51.82,195.31 ; VA32.3 51.96,195.22 ; VA32.3 52.05,195.09 ; VA32.3 51.96,194.58 ; VA32.3 51.63,195.28 ; VA32.3 52.02,194.9 ; VA32.3 51.63,194.52 ; VA32.3 52.05,194.71 ; 50.18,129.99 VA56.3 ; VA56.3 50.37,130.78 ; VA56.3 49.98,130.4 ; VA56.3 49.95,130.21 ; VA56.3 49.95,130.59 ; VA56.3 50.04,130.08 ; VA56.3 50.04,130.72 ; VA56.3 50.37,130.02 ; 50.04,158.72 VA45.3 ; VA45.3 50.37,158.02 ; VA45.3 50.18,157.99 ; VA45.3 49.98,158.4 ; VA45.3 49.95,158.21 ; VA45.3 50.37,158.78 ; VA45.3 50.04,158.08 ; VA45.3 49.95,158.59 ; VA81.3 50.37,70.28 ; VA81.3 49.98,69.9 ; VA81.3 50.04,69.58 ; VA81.3 49.95,69.71 ; VA81.3 50.37,69.52 ; VA81.3 50.18,69.49 ; VA81.3 50.04,70.22 ; VA81.3 49.95,70.09 ; VA100.4 51.82,17.81 ; VA100.4 51.63,17.78 ; VA100.4 51.63,17.02 ; VA100.4 51.96,17.08 ; VA100.4 51.96,17.72 ; VA100.4 52.05,17.59 ; VA100.4 52.02,17.4 ; VA100.4 52.05,17.21 ; 50.18,246.99 VA12.3 ; VA12.3 50.37,247.78 ; VA12.3 50.04,247.08 ; VA12.3 49.98,247.4 ; VA12.3 49.95,247.59 ; VA12.3 49.95,247.21 ; VA12.3 50.04,247.72 ; VA12.3 50.37,247.02 ; 49.98,11.4 VA103.3 ; VA103.3 50.37,11.02 ; VA103.3 50.37,11.78 ; VA103.3 49.95,11.59 ; VA103.3 50.18,10.99 ; VA103.3 50.04,11.72 ; VA103.3 50.04,11.08 ; VA103.3 49.95,11.21 ; VA18.4 51.63,229.78 ; VA18.4 51.96,229.72 ; VA18.4 51.96,229.08 ; VA18.4 52.05,229.59 ; VA18.4 52.05,229.21 ; VA18.4 52.02,229.4 ; VA18.4 51.63,229.02 ; VA18.4 51.82,229.81 ; 50.37,262.02 VA5.3 ; VA5.3 50.04,262.08 ; VA5.3 49.95,262.21 ; VA5.3 50.04,262.72 ; VA5.3 49.98,262.4 ; VA5.3 50.18,261.99 ; VA5.3 49.95,262.59 ; VA5.3 50.37,262.78 ; 49.95,266.21 VA3.3 ; VA3.3 50.18,265.99 ; VA3.3 50.04,266.08 ; VA3.3 49.98,266.4 ; VA3.3 49.95,266.59 ; VA3.3 50.37,266.02 ; VA3.3 50.04,266.72 ; VA3.3 50.37,266.78 ; 50.18,122.99 VA59.3 ; VA59.3 50.37,123.02 ; VA59.3 49.98,123.4 ; VA59.3 50.04,123.08 ; VA59.3 50.37,123.78 ; VA59.3 50.04,123.72 ; VA59.3 49.95,123.59 ; VA59.3 49.95,123.21 ; VA58.3 50.37,126.78 ; VA58.3 49.95,126.59 ; VA58.3 50.37,126.02 ; VA58.3 50.18,125.99 ; VA58.3 50.04,126.72 ; VA58.3 49.95,126.21 ; VA58.3 50.04,126.08 ; VA58.3 49.98,126.4 ; 50.04,149.72 VA49.3 ; VA49.3 49.95,149.21 ; VA49.3 49.95,149.59 ; VA49.3 50.18,148.99 ; VA49.3 50.37,149.02 ; VA49.3 50.37,149.78 ; VA49.3 50.04,149.08 ; VA49.3 49.98,149.4 ; VA2.4 51.96,268.72 ; VA2.4 52.05,268.59 ; VA2.4 52.05,268.21 ; VA2.4 51.82,268.81 ; VA2.4 52.02,268.4 ; VA2.4 51.63,268.78 ; VA2.4 51.96,268.08 ; VA2.4 51.63,268.02 ; VA37.4 52.02,177.9 ; VA37.4 51.63,177.52 ; VA37.4 52.05,177.71 ; VA37.4 51.96,178.22 ; VA37.4 51.82,178.31 ; VA37.4 51.63,178.28 ; VA37.4 52.05,178.09 ; VA37.4 51.96,177.58 ; VA54.4 52.05,134.59 ; VA54.4 52.05,134.21 ; VA54.4 51.82,134.81 ; VA54.4 52.02,134.4 ; VA54.4 51.63,134.78 ; VA54.4 51.96,134.72 ; VA54.4 51.63,134.02 ; VA54.4 51.96,134.08 ; 50.37,87.02 VA74.3 ; VA74.3 50.18,86.99 ; VA74.3 50.37,87.78 ; VA74.3 49.98,87.4 ; VA74.3 50.04,87.08 ; VA74.3 50.04,87.72 ; VA74.3 49.95,87.21 ; VA74.3 49.95,87.59 ; 50.04,36.58 VA91.4 ; VA91.4 50.37,37.28 ; VA91.4 50.04,37.22 ; VA91.4 49.95,36.71 ; VA91.4 50.37,36.52 ; VA91.4 50.18,36.49 ; VA91.4 49.98,36.9 ; VA91.4 49.95,37.09 ; 49.95,151.59 VA48.3 ; VA48.3 50.37,151.78 ; VA48.3 50.18,150.99 ; VA48.3 49.95,151.21 ; VA48.3 50.04,151.72 ; VA48.3 50.37,151.02 ; VA48.3 50.04,151.08 ; VA48.3 49.98,151.4 ; 51.63,119.02 VA61.4 ; VA61.4 52.05,119.21 ; VA61.4 51.63,119.78 ; VA61.4 52.02,119.4 ; VA61.4 51.96,119.08 ; VA61.4 52.05,119.59 ; VA61.4 51.96,119.72 ; VA61.4 51.82,119.81 ; VA55.4 52.02,132.4 ; VA55.4 51.63,132.78 ; VA55.4 51.96,132.72 ; VA55.4 51.96,132.08 ; VA55.4 52.05,132.21 ; VA55.4 51.82,132.81 ; VA55.4 52.05,132.59 ; VA55.4 51.63,132.02 ; 50.37,221.02 VA22.3 ; VA22.3 49.95,221.59 ; VA22.3 50.18,220.99 ; VA22.3 49.95,221.21 ; VA22.3 50.04,221.72 ; VA22.3 50.37,221.78 ; VA22.3 49.98,221.4 ; VA22.3 50.04,221.08 ; 49.95,243.09 VA13.3 ; VA13.3 50.18,242.49 ; VA13.3 50.37,242.52 ; VA13.3 50.04,243.22 ; VA13.3 49.98,242.9 ; VA13.3 50.37,243.28 ; VA13.3 49.95,242.71 ; VA13.3 50.04,242.58 ; J6.20 2.64,82 ; J6.20 1.15,80.51 ; J6.20 2.4,80.75 ; J6.20 2.05,82.6 